# Altium PCB UNT 3-ALL.pcbdoc (part 4 of 4) (continued)
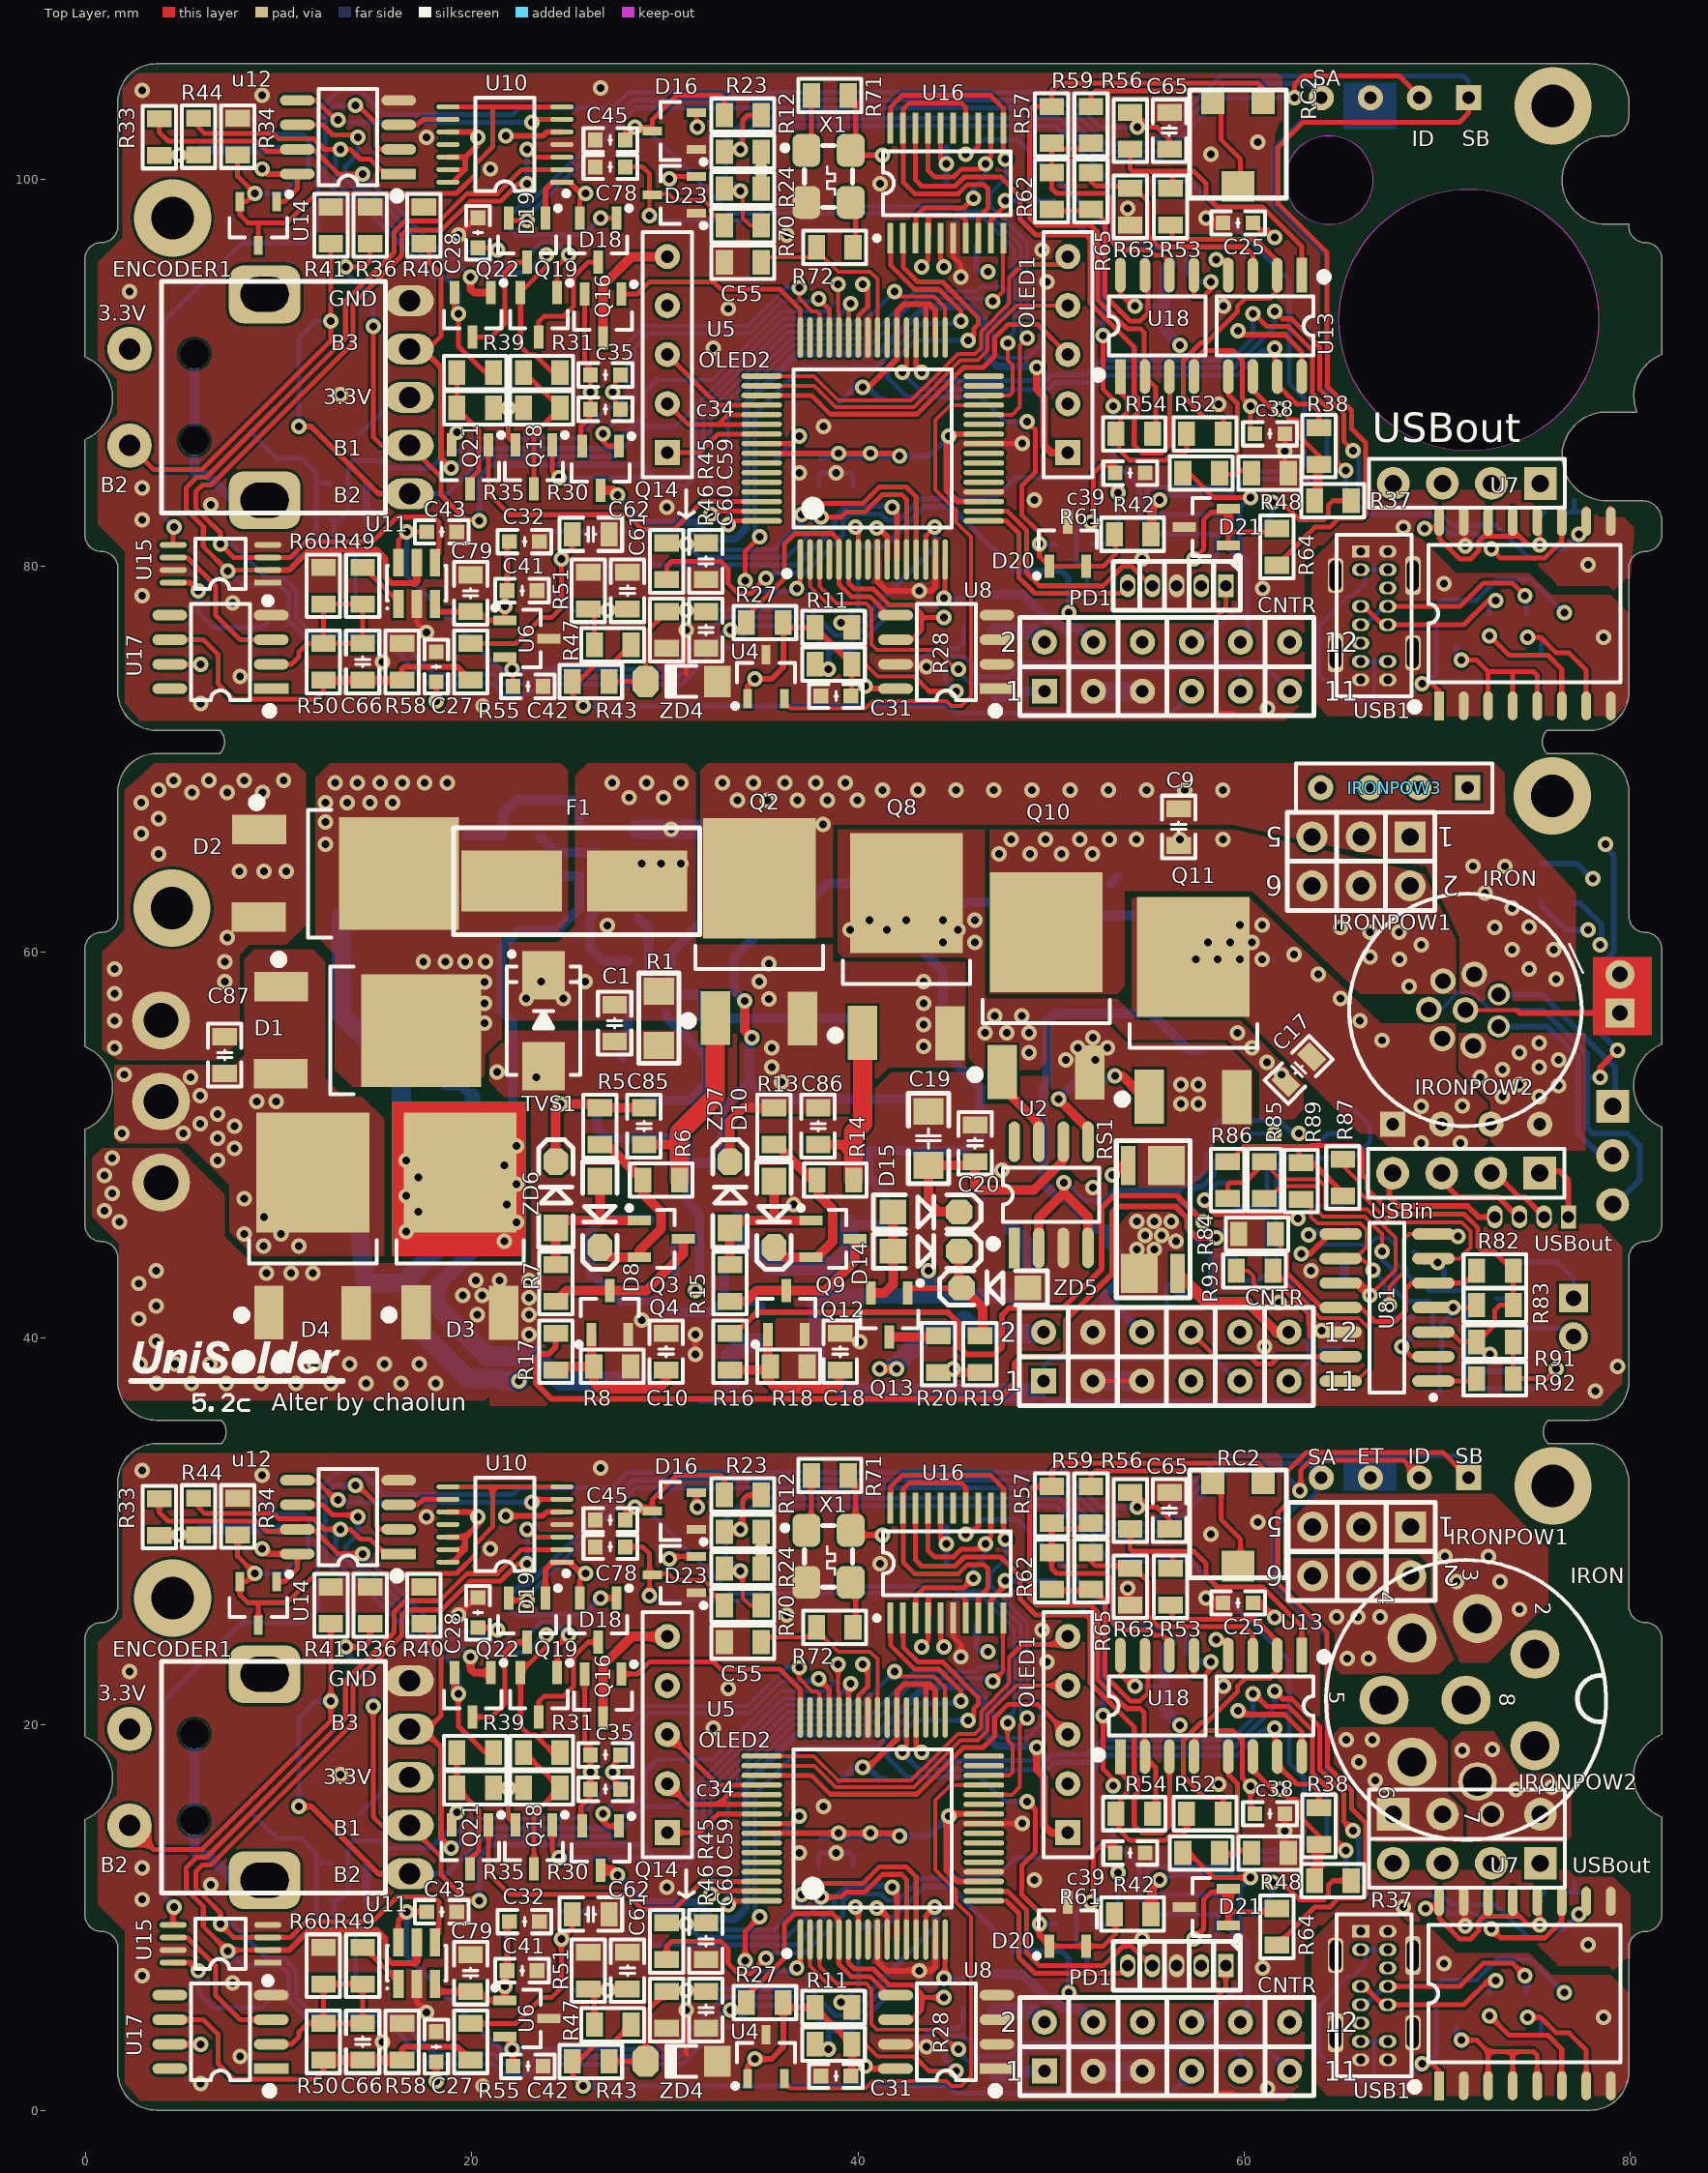
[diagram p0: Top Layer view]
## Polygon pours and split planes (outlines as drawn) (continued)
USBGND on Mid Layer 2 "USBGND_L03_P006" (solid, remove dead copper, pour order 273): 64.837,81.58 64.135,80.878 63.373,80.116 63.373,73.639 64.77,72.242 79.375,72.242 80.035,72.902 80.035,77.805 79.248,78.592 75.565,78.592 74.676,79.481 70.993,79.481 70.993,79.735 69.148,81.58
NetQ10_3 on Mid Layer 2 "NETQ10_3_L03_P271" (solid, pour order 271): 50.578,54.921 50.895,55.937 53.689,55.937 54.451,55.175 55.975,53.651 57.626,53.651 58.515,52.762 58.515,51.873 57.499,50.857 52.8,50.857 51.276,52.381 50.387,53.27 50.387,54.54
NetD1_2 on Mid Layer 2 "NETD1_2_L03_P269" (solid, pour order 269): 12.668,69.399 12.033,68.764 11.906,68.764 11.906,64.319 20.415,55.81 21.558,55.81 21.558,60.509 21.939,60.89 21.939,61.017 24.225,61.017 24.86,61.652 24.987,61.652 24.987,69.018 24.606,69.399
Net24VAC_2 on Mid Layer 2 "NET24VAC_2_L03_P267" (solid, pour order 267): 1.619,54.159 1.619,50.095 5.429,50.095 7.461,48.063 7.461,45.523 8.731,44.253 14.954,44.253 15.335,44.634 15.335,47.325 8.501,54.159
Net24VAC_3 on Mid Layer 2 "NET24VAC_3_L03_P265" (solid, pour order 265): 17 vertices, not listed, extent 0.857,44.253 23.336,69.399
VOUT1+ on Mid Layer 2 "VOUT1+_L03_P263" (solid, pour order 263): 17 vertices, not listed, extent 31.845,56.572 77.819,69.794
GND on Mid Layer 2 "GND_L03_P261" (solid, pour order 261): 63 vertices, not listed, extent 0.349,36.633 79.724,53.905
VIN on Mid Layer 2 "VIN_L03_P259" (solid, pour order 259): 31.591,60.382 38.703,60.382 38.703,59.112 43.783,59.112 43.783,54.159 22.828,54.159 22.066,54.921 22.066,60.509 24.86,60.509 25.495,61.144 25.495,68.129 25.495,68.51 26.257,69.272 30.956,69.272 31.591,68.637
VOUT2+ on Mid Layer 2 "VOUT2+_L03_P257" (solid, pour order 257): 42 vertices, not listed, extent 38.957,43.745 77.692,62.195
VOUT2- on Mid Layer 2 "VOUT2-_L03_P255" (solid, pour order 255): 72.612,50.222 72.104,49.714 66.738,49.714 58.655,58.858 57.339,58.858 54.325,62.16 60.928,62.16 67.151,56.318 70.961,56.318 70.961,53.778 72.612,52.127
VOUT1- on Mid Layer 2 "VOUT1-_L03_P253" (solid, pour order 253): 69.31,64.065 59.501,66.351 46.323,66.351 46.323,62.421 53.689,62.421 61.309,62.421 66.364,57.715 70.961,57.715 70.961,60.485
USBGND on Mid Layer 2 "USBGND_L03_P006" (solid, remove dead copper, pour order 91): 17 vertices, not listed, extent 63.373,0.762 80.035,10.1
GND on Mid Layer 2 "GND_L03_P024" (solid, remove dead copper, pour order 99): 34 vertices, not listed, extent 0.605,0.526 79.915,34.054
VGND on Mid Layer 2 "VGND_L03_P020" (solid, pour order 97): 47.498,9.525 47.498,4.191 48.133,3.556 52.578,3.556 53.34,4.318 53.34,5.588 50.722,5.588 48.26,8.05 48.26,9.88 47.524,9.88 47.498,9.906
VGND on Mid Layer 2 "VGND_L03_P022" (solid, pour order 98): 26.162,19.092 27.474,19.05 27.559,18.203 27.559,16.002 27.502,15.917 26.46,15.917 25.4,16.976 25.4,19.092
VOUT1- on Mid Layer 2 "VOUT1-_L03_P135" (solid, pour order 135): 61.95,28.6 61.95,27.45 64.7,24.7 64.7,22.9 65,22.6 70.1,22.6 70.875,23.375 69.45,26.498 69.45,27.793 68.643,28.6
VOUT1+ on Mid Layer 2 "VOUT1+_L03_P143" (solid, pour order 143): 63.821,31.971 62.05,30.2 61.95,30.2 61.95,28.8 69.05,28.8 69.669,28.181 69.669,26.55 71.2,23.2 72.65,23.2 75.75,26.3 75.75,29.1 72.922,31.928
VOUT2- on Mid Layer 2 "VOUT2-_L03_P147" (solid, pour order 147): 71.35,13.9 66.8,13.9 65.75,14.95 65.75,16.85 64.65,17.95 64.65,19.5 65,19.85 65.35,19.85 69.8,19.85 70.55,19.1 70.55,16.4 71.35,15.6
VOUT2+ on Mid Layer 2 "VOUT2+_L03_P153" (solid, pour order 153): 71.3,19.65 70.75,19.1 70.75,16.5 71.55,15.7 71.55,14.05 71.7,13.9 76.65,13.9 76.95,14.2 76.95,16.55 76.05,17.45 74.255,17.45 72.945,19.65
GND on Bottom Layer "GND_L04_P034" (solid, pour order 100): 59.186,10.3 69.55,10.3 71.214,8.636 75.184,8.636 76.581,7.239 79.375,7.239 79.945,7.809 79.945,9.312 76.811,12.446 66.675,12.446 63.119,16.002 58.968,16.002
GND on Bottom Layer "GND_L04_P034" (solid, pour order 285): 59.192,81.63 69.853,81.63 71.367,80.116 75.184,80.116 76.581,78.719 79.375,78.719 79.945,79.289 79.945,80.792 76.811,83.926 66.675,83.926 63.119,87.482 58.968,87.482
NetENCODER1_6 on Bottom Layer "NETENCODER1_6_L04_P002" (solid, pour order 287): 20 vertices, not listed, extent 4.336,81.386 11.811,96.372
GND on Bottom Layer "GND_L04_P014" (solid, remove dead copper, pour order 283): 23 vertices, not listed, extent 0.508,71.861 64.008,105.516
USBGND on Bottom Layer "USBGND_L04_P008" (solid, remove dead copper, pour order 281): 63.373,73.639 64.77,72.242 79.629,72.242 80.035,72.648 80.035,78.059 79.502,78.592 76.327,78.592 75.184,79.735 71.12,79.735 69.275,81.58 64.837,81.58 63.373,80.116
EARTH on Bottom Layer "EARTH_L04_P251" (solid, pour order 251): 79.597,59.874 78.581,58.858 78.581,56.318 79.343,55.556 80.867,55.556 81.121,55.81 81.121,59.747 80.74,60.128 79.724,60.128
VOUT2+ on Bottom Layer "VOUT2+_L04_P249" (solid, pour order 249): 42.894,62.922 38.322,62.922 37.052,61.652 37.052,60.636 42.894,60.636
VIN on Bottom Layer "VIN_L04_P247" (solid, pour order 247): 22.828,60.382 22.193,59.747 22.193,57.08 22.574,56.699 26.638,56.699 27.019,57.08 27.019,58.731 25.241,60.509
NetD1_2 on Bottom Layer "NETD1_2_L04_P245" (solid, pour order 245): 16.859,59.27 17.197,58.932 19.354,58.932 19.963,58.323 19.963,56.166 20.573,55.556 20.765,55.556 21.102,55.894 21.102,59.822 20.542,60.382 17.59,60.382 16.859,59.921
Net24VAC_3 on Bottom Layer "NET24VAC_3_L04_P243" (solid, pour order 243): 16.605,50.476 15.589,49.46 15.589,46.158 15.843,45.904 15.843,44.253 20.341,44.253 20.595,44.507 22.955,44.507 22.955,50.222 22.955,50.476
NetQ10_3 on Bottom Layer "NETQ10_3_L04_P241" (solid, pour order 241): 55.955,52.025 55.955,52.274 55.213,53.188 54.434,53.188 53.534,53.877 50.514,53.905 50.26,53.905 50.26,56.064 50.514,56.318 55.721,56.318 58.261,53.651 58.261,52.953 58.023,51.73 56.34,51.73
VIN on Bottom Layer "VIN_L04_P239" (solid, pour order 239): 28 vertices, not listed, extent 34.258,52.762 44.418,60.412
GND on Bottom Layer "GND_L04_P237" (solid, pour order 237): 53.816,47.301 53.777,47.213 53.777,44.126 57.101,44.126 57.101,45.904 55.704,47.301
GND on Bottom Layer "GND_L04_P235" (solid, pour order 235): 27.697,44.083 32.607,39.173 32.607,36.633 2.127,36.633 1.746,37.014 1.746,44.888 0.349,46.285 0.349,49.333 0.857,49.841 4.921,49.841 7.207,47.555 7.207,45.269 8.541,43.935
VOUT1+ on Bottom Layer "VOUT1+_L04_P233" (solid, pour order 233): 27 vertices, not listed, extent 31.972,58.096 77.692,69.78
VIN on Bottom Layer "VIN_L04_P231" (solid, pour order 231): 31.718,64.7 31.21,64.192 28.289,64.192 27.908,64.573 27.908,67.367 26.765,68.51 26.765,69.78 31.083,69.78 31.718,69.145
NetD1_2 on Bottom Layer "NETD1_2_L04_P229" (solid, pour order 229): 19.909,68.508 20.034,68.633 20.034,69.526 19.907,69.526 19.653,69.78 12.668,69.78 11.906,69.018 11.906,64.061 15.462,64.061 15.462,66.87
Net24VAC_2 on Bottom Layer "NET24VAC_2_L04_P227" (solid, pour order 227): 23 vertices, not listed, extent 1.492,44.189 12.287,60.001
Net24VAC_3 on Bottom Layer "NET24VAC_3_L04_P225" (solid, pour order 225): 17 vertices, not listed, extent 0.857,54.413 11.398,69.78
GND on Bottom Layer "GND_L04_P223" (solid, remove dead copper, pour order 223): 117 vertices, not listed, extent 10.636,35.998 79.851,69.78
VOUT2- on Bottom Layer "VOUT2-_L04_P221" (solid, pour order 221): 71.215,52.508 66.909,52.508 66.909,49.587 71.85,49.587 71.85,51.873
VOUT1- on Bottom Layer "VOUT1-_L04_P219" (solid, pour order 219): 20 vertices, not listed, extent 46.323,57.715 70.961,66.351
VOUT2- on Bottom Layer "VOUT2-_L04_P217" (solid, pour order 217): 70.961,54.413 70.58,54.032 67.575,54.032 62.281,58.985 57.611,58.985 56.483,60.113 56.483,60.509 56.99,61.016 58.881,61.016 59.277,61.412 59.277,61.906 59.658,62.287 62.862,62.287 69.291,56.318 70.961,56.318
VOUT2+ on Bottom Layer "VOUT2+_L04_P215" (solid, pour order 215): 40 vertices, not listed, extent 43.656,49.587 77.028,62.09
USBGND on Bottom Layer "USBGND_L04_P008" (solid, remove dead copper, pour order 92): 67.85,10.1 68.55,9.4 69.962,9.412 71.12,8.255 75.184,8.255 76.327,7.112 79.502,7.112 80.035,6.579 80.035,1.168 79.629,0.762 64.77,0.762 63.373,2.159 63.373,8.636 64.837,10.1
GND on Bottom Layer "GND_L04_P014" (solid, remove dead copper, pour order 95): 23 vertices, not listed, extent 0.508,0.381 64.008,34.036
NetENCODER1_6 on Bottom Layer "NETENCODER1_6_L04_P002" (solid, pour order 90): 20 vertices, not listed, extent 4.336,9.906 11.811,24.892
VOUT1+ on Bottom Layer "VOUT1+_L04_P119" (solid, pour order 119): 63.821,31.971 62.05,30.2 61.95,30.2 61.95,28.8 69.05,28.8 69.669,28.181 69.669,26.55 71.2,23.2 72.65,23.2 75.75,26.3 75.75,29.1 72.922,31.928
VOUT1- on Bottom Layer "VOUT1-_L04_P137" (solid, pour order 137): 61.95,28.6 61.95,27.45 64.7,24.7 64.7,22.9 65,22.6 70.1,22.6 70.875,23.375 69.45,26.498 69.45,27.793 68.643,28.6
VOUT2- on Bottom Layer "VOUT2-_L04_P149" (solid, pour order 149): 71.35,13.9 66.8,13.9 65.75,14.95 65.75,16.85 64.65,17.95 64.65,19.5 65,19.85 65.35,19.85 69.8,19.85 70.55,19.1 70.55,16.4 71.35,15.6
VOUT2+ on Bottom Layer "VOUT2+_L04_P155" (solid, pour order 155): 71.3,19.65 70.75,19.1 70.75,16.5 71.55,15.7 71.55,14.05 71.7,13.9 76.65,13.9 76.95,14.2 76.95,16.55 76.05,17.45 74.255,17.45 72.945,19.65
3.3v on Mid Layer 1 "3.3V_L02_P012" (solid, remove dead copper, pour order 291): 31 vertices, not listed, extent 0.635,71.974 79.622,105.516
VBUS1 on Mid Layer 1 "VBUS1_L02_P010" (solid, remove dead copper, pour order 289): 64.643,72.242 79.248,72.242 80.035,73.029 80.035,77.678 79.121,78.592 75.565,78.592 74.676,79.481 71.374,79.481 69.325,81.53 64.787,81.53 63.373,80.116 63.373,73.512
VIN on Mid Layer 1 "VIN_L02_P213" (solid, pour order 213): 56.483,39.046 55.975,38.538 55.975,36.379 56.102,36.252 58.007,36.252 58.515,36.76 58.515,38.665 58.134,39.046
NetQ10_3 on Mid Layer 1 "NETQ10_3_L02_P211" (solid, pour order 211): 54.324,56.064 56.483,53.905 57.372,53.905 58.047,53.23 58.047,49.754 57.708,49.333 56.522,49.333 54.329,51.873 51.784,51.873 50.387,53.27 50.387,55.175 51.276,56.064
GND on Mid Layer 1 "GND_L02_P209" (solid, pour order 209): 25 vertices, not listed, extent 24.606,38.665 57.245,51.492
GND on Mid Layer 1 "GND_L02_P207" (solid, pour order 207): 0.984,49.841 0.476,49.333 0.476,46.285 1.746,45.015 1.746,37.141 2.635,36.252 20.161,36.252 23.336,39.427 23.336,43.237 22.962,43.611 8.865,43.611 7.08,45.396 7.08,47.555 4.794,49.841
Net24VAC_3 on Mid Layer 1 "NET24VAC_3_L02_P205" (solid, pour order 205): 17 vertices, not listed, extent 0.857,44.253 23.336,69.794
GND on Mid Layer 1 "GND_L02_P203" (solid, pour order 203): 54.197,46.539 53.435,45.777 53.435,43.872 55.975,43.872 56.737,44.634 57.118,44.634 57.118,46.285 56.864,46.539
DVDD on Mid Layer 1 "DVDD_L02_P201" (solid, pour order 201): 32.48,37.395 32.48,47.174 42.386,47.174 42.513,47.301 42.513,41.84 66.008,41.84 66.008,45.142 67.024,45.142 68.167,43.999 68.167,43.237 77.438,43.237 79.724,42.951 79.724,37.395
3.3v on Mid Layer 1 "3.3V_L02_P199" (solid, pour order 199): 42.767,47.174 42.767,41.967 65.627,41.967 65.627,43.491 61.944,47.174 61.944,50.267 61.563,51.174 58.261,51.174 58.261,43.611 53.315,43.611 53.054,43.872 53.054,47.174 49.371,47.174
VOUT2+ on Mid Layer 1 "VOUT2+_L02_P197" (solid, pour order 197): 47 vertices, not listed, extent 38.957,43.745 77.692,62.19
VOUT2- on Mid Layer 1 "VOUT2-_L02_P195" (solid, pour order 195): 72.612,50.349 71.977,49.714 67.515,49.714 66.643,50.586 66.643,52.565 61.493,57.715 58.347,57.715 54.679,62.16 61.055,62.16 67.151,56.318 70.961,56.318 70.961,53.778 72.612,52.127
VOUT1- on Mid Layer 1 "VOUT1-_L02_P193" (solid, pour order 193): 69.31,64.065 59.15,66.351 46.323,66.351 46.323,62.422 53.689,62.422 61.309,62.422 66.262,57.715 70.961,57.715 70.961,60.636
VOUT1+ on Mid Layer 1 "VOUT1+_L02_P191" (solid, pour order 191): 59.375,66.604 69.437,64.319 71.215,60.763 71.215,57.334 77.282,57.334 77.282,61.681 69.183,69.78 32.353,69.78 31.845,69.272 31.845,60.763 38.703,60.763 38.703,62.541 46.069,62.541 46.069,66.604
VIN on Mid Layer 1 "VIN_L02_P189" (solid, pour order 189): 17 vertices, not listed, extent 21.939,51.746 43.783,69.794
NetD1_2 on Mid Layer 1 "NETD1_2_L02_P187" (solid, pour order 187): 12.668,69.78 11.906,69.018 11.906,64.319 20.288,55.937 20.923,55.937 21.558,56.572 21.558,60.636 21.812,60.89 21.812,61.016 24.351,61.016 24.987,61.652 24.987,69.272 24.479,69.78
Net24VAC_2 on Mid Layer 1 "NET24VAC_2_L02_P185" (solid, pour order 185): 1.619,54.159 1.619,50.095 5.429,50.095 7.461,48.063 7.461,45.523 8.731,44.253 14.954,44.253 15.335,44.634 15.335,47.325 8.501,54.159
VBUS1 on Mid Layer 1 "VBUS1_L02_P010" (solid, remove dead copper, pour order 93): 64.643,0.762 79.248,0.762 80.035,1.549 80.035,6.198 79.121,7.112 75.565,7.112 74.676,8.001 71.374,8.001 69.325,10.05 64.787,10.05 63.373,8.636 63.373,2.032
3.3v on Mid Layer 1 "3.3V_L02_P012" (solid, remove dead copper, pour order 94): 31 vertices, not listed, extent 0.635,0.494 79.622,34.036
VOUT1- on Mid Layer 1 "VOUT1-_L02_P133" (solid, pour order 133): 61.95,28.6 61.95,27.45 64.7,24.7 64.7,22.9 65,22.6 70.1,22.6 70.875,23.375 69.45,26.498 69.45,27.793 68.643,28.6
VOUT1+ on Mid Layer 1 "VOUT1+_L02_P141" (solid, pour order 141): 63.821,31.971 62.05,30.2 61.95,30.2 61.95,28.8 69.05,28.8 69.669,28.181 69.669,26.55 71.2,23.2 72.65,23.2 75.75,26.3 75.75,29.1 72.922,31.928
VOUT2- on Mid Layer 1 "VOUT2-_L02_P145" (solid, pour order 145): 71.35,13.9 66.8,13.9 65.75,14.95 65.75,16.85 64.65,17.95 64.65,19.5 65,19.85 65.35,19.85 69.8,19.85 70.55,19.1 70.55,16.4 71.35,15.6
VOUT2+ on Mid Layer 1 "VOUT2+_L02_P151" (solid, pour order 151): 71.3,19.65 70.75,19.1 70.75,16.5 71.55,15.7 71.55,14.05 71.7,13.9 76.65,13.9 76.95,14.2 76.95,16.55 76.05,17.45 74.255,17.45 72.945,19.65
GND on Top Layer "GND_L01_P050" (solid, pour order 297): 21 vertices, not listed, extent 62.611,78.719 80.184,83.926
USBGND on Top Layer "USBGND_L01_P036" (solid, remove dead copper, pour order 295): 63.5,73.174 63.5,80.268 64.77,81.538 69.088,81.538 70.993,79.633 74.778,79.633 75.921,78.49 78.994,78.49 79.908,77.576 79.908,72.926 79.223,72.242 64.315,72.242
GND on Top Layer "GND_L01_P016" (solid, remove dead copper, pour order 293): 30 vertices, not listed, extent 0.635,71.988 63.928,105.516
GND on Top Layer "GND_L01_P183" (solid, remove dead copper, pour order 183): 37 vertices, not listed, extent 20.923,36.506 79.59,55.937
VOUT2+ on Top Layer "VOUT2+_L01_P181" (solid, pour order 181): 27 vertices, not listed, extent 38.957,51.353 63.087,66.351
GND on Top Layer "GND_L01_P179" (solid, pour order 179): 54.133,46.529 53.475,45.871 53.475,41.967 56.864,41.967 56.864,45.852 56.187,46.529
VOUT2+ on Top Layer "VOUT2+_L01_P177" (solid, pour order 177): 71.088,55.81 71.088,53.905 72.739,52.254 72.739,50.222 73.247,49.714 77.692,49.714 77.692,55.81
VOUT2+ on Top Layer "VOUT2+_L01_P175" (solid, pour order 175): 38.957,66.351 38.957,60.001 46.577,60.001 46.577,66.351
VOUT2- on Top Layer "VOUT2-_L01_P173" (solid, pour order 173): 17 vertices, not listed, extent 54.197,49.714 72.612,62.795
VOUT1- on Top Layer "VOUT1-_L01_P171" (solid, pour order 171): 59.501,66.351 69.31,64.065 70.961,60.636 70.961,57.842 66.035,57.842 60.42,63.176 53.816,63.176 53.816,58.223 53.435,57.842 46.831,57.842 46.831,66.351
VOUT1+ on Top Layer "VOUT1+_L01_P169" (solid, pour order 169): 17 vertices, not listed, extent 31.845,57.461 77.184,69.78
GND on Top Layer "GND_L01_P167" (solid, pour order 167): 0.857,49.841 0.349,49.333 0.349,46.285 1.746,44.888 1.746,37.141 2.127,36.76 20.669,36.76 23.567,39.658 23.567,43.26 22.955,43.872 8.604,43.872 7.207,45.269 7.207,47.428 4.794,49.841
NetQ10_3 on Top Layer "NETQ10_3_L01_P165" (solid, pour order 165): 58.388,48.952 58.388,50.222 59.658,50.222 60.42,50.984 60.42,53.905 59.023,55.302 53.943,55.302 52.927,56.318 50.006,56.318 50.006,56.064 50.006,55.302 50.006,49.714 51.911,47.809 57.245,47.809 57.753,48.317
NetD1_2 on Top Layer "NETD1_2_L01_P163" (solid, pour order 163): 19 vertices, not listed, extent 11.906,53.016 24.987,69.78
Net24VAC_3 on Top Layer "NET24VAC_3_L01_P161" (solid, pour order 161): 1.704,54.413 6.953,54.413 7.969,55.429 7.969,59.874 8.477,60.382 10.382,60.382 11.398,61.398 11.398,69.272 10.89,69.78 3.569,69.78 2.007,68.383 2.007,61.151 0.857,60.001 0.857,54.921
Net24VAC_2 on Top Layer "NET24VAC_2_L01_P159" (solid, pour order 159): 19 vertices, not listed, extent 1.492,44.253 15.462,60.128
VIN on Top Layer "VIN_L01_P157" (solid, pour order 157): 21 vertices, not listed, extent 21.939,51.619 45.561,69.78
GND on Top Layer "GND_L01_P016" (solid, remove dead copper, pour order 96): 30 vertices, not listed, extent 0.635,0.508 63.928,34.036
USBGND on Top Layer "USBGND_L01_P036" (solid, remove dead copper, pour order 101): 67.975,10.058 68.432,9.6 69.523,9.623 70.993,8.153 74.778,8.153 75.921,7.01 78.994,7.01 79.908,6.096 79.908,1.446 79.223,0.762 64.315,0.762 63.5,1.694 63.5,8.788 64.77,10.058
GND on Top Layer "GND_L01_P050" (solid, pour order 105): 17 vertices, not listed, extent 62.611,7.239 80.01,12.446
VOUT1- on Top Layer "VOUT1-_L01_P121" (solid, pour order 121): 61.95,28.6 61.95,27.45 64.7,24.7 64.7,22.9 65,22.6 70.1,22.6 70.875,23.375 69.45,26.498 69.45,27.793 68.643,28.6
VOUT2- on Top Layer "VOUT2-_L01_P123" (solid, pour order 123): 71.35,13.9 66.8,13.9 65.75,14.95 65.75,16.85 64.65,17.95 64.65,19.5 65,19.85 65.35,19.85 69.8,19.85 70.55,19.1 70.55,16.4 71.35,15.6
VOUT2+ on Top Layer "VOUT2+_L01_P125" (solid, pour order 125): 71.3,19.65 70.75,19.1 70.75,16.5 71.55,15.7 71.55,14.05 71.7,13.9 76.65,13.9 76.95,14.2 76.95,16.55 76.05,17.45 74.255,17.45 72.945,19.65
VOUT1+ on Top Layer "VOUT1+_L01_P139" (solid, pour order 139): 63.821,31.971 62.05,30.2 61.95,30.2 61.95,28.8 69.05,28.8 69.669,28.181 69.669,26.55 71.2,23.2 72.65,23.2 75.75,26.3 75.75,29.1 72.922,31.928
no net on Bottom Overlay (solid): 165 vertices, not listed, extent 29.123,75.547 30.71,77.203
no net on Bottom Overlay (solid): 127 vertices, not listed, extent 27.926,75.577 29.18,76.782
no net on Bottom Overlay (solid): 27.551,76.756 27.233,76.756 27.48,75.577 27.796,75.577
no net on Bottom Overlay (solid): 27.457,77.203 27.14,77.203 27.2,76.916 27.517,76.916
no net on Bottom Overlay (solid): 321 vertices, not listed, extent 25.719,75.547 27.112,77.23
no net on Bottom Overlay (solid): 130 vertices, not listed, extent 24.379,75.547 25.603,76.782
no net on Bottom Overlay (solid): 23.927,77.203 23.609,77.203 23.949,75.577 24.265,75.577
no net on Bottom Overlay (solid): 103 vertices, not listed, extent 22.188,75.547 23.588,77.203
no net on Bottom Overlay (solid): 172 vertices, not listed, extent 21.074,75.547 22.202,76.782
no net on Bottom Overlay (solid): 70 vertices, not listed, extent 19.994,75.577 20.997,76.782
no net on Bottom Overlay (solid): 93 vertices, not listed, extent 24.695,75.793 25.284,76.542
no net on Bottom Overlay (solid): 97 vertices, not listed, extent 22.726,75.786 23.278,76.548
no net on Bottom Overlay (solid): 43 vertices, not listed, extent 21.365,76.259 21.864,76.555
no net on Bottom Overlay (solid): 43 vertices, not listed, extent 21.365,4.779 21.864,5.075
no net on Bottom Overlay (solid): 97 vertices, not listed, extent 22.726,4.306 23.278,5.068
no net on Bottom Overlay (solid): 93 vertices, not listed, extent 24.695,4.313 25.284,5.062
no net on Bottom Overlay (solid): 70 vertices, not listed, extent 19.994,4.097 20.997,5.302
no net on Bottom Overlay (solid): 172 vertices, not listed, extent 21.074,4.067 22.202,5.302
no net on Bottom Overlay (solid): 103 vertices, not listed, extent 22.188,4.067 23.588,5.723
no net on Bottom Overlay (solid): 23.927,5.723 23.609,5.723 23.949,4.097 24.265,4.097
no net on Bottom Overlay (solid): 130 vertices, not listed, extent 24.379,4.067 25.603,5.302
no net on Bottom Overlay (solid): 321 vertices, not listed, extent 25.719,4.067 27.112,5.75
no net on Bottom Overlay (solid): 27.457,5.723 27.14,5.723 27.2,5.436 27.517,5.436
no net on Bottom Overlay (solid): 27.551,5.276 27.233,5.276 27.48,4.097 27.796,4.097
no net on Bottom Overlay (solid): 127 vertices, not listed, extent 27.926,4.097 29.18,5.302
no net on Bottom Overlay (solid): 165 vertices, not listed, extent 29.123,4.067 30.71,5.723
no net on Top Overlay (solid): 165 vertices, not listed, extent 2.468,38.16 4.054,39.816
no net on Top Overlay (solid): 127 vertices, not listed, extent 3.998,38.19 5.252,39.395
no net on Top Overlay (solid): 5.627,39.369 5.944,39.369 5.697,38.19 5.382,38.19
no net on Top Overlay (solid): 5.72,39.816 6.038,39.816 5.978,39.529 5.661,39.529
no net on Top Overlay (solid): 321 vertices, not listed, extent 6.066,38.16 7.458,39.843
no net on Top Overlay (solid): 130 vertices, not listed, extent 7.575,38.16 8.798,39.395
no net on Top Overlay (solid): 9.251,39.816 9.569,39.816 9.228,38.19 8.913,38.19
no net on Top Overlay (solid): 103 vertices, not listed, extent 9.59,38.16 10.989,39.816
no net on Top Overlay (solid): 172 vertices, not listed, extent 10.975,38.16 12.103,39.395
no net on Top Overlay (solid): 70 vertices, not listed, extent 12.181,38.19 13.184,39.395
no net on Top Overlay (solid): 93 vertices, not listed, extent 7.894,38.406 8.483,39.155
no net on Top Overlay (solid): 97 vertices, not listed, extent 9.9,38.399 10.452,39.161
no net on Top Overlay (solid): 43 vertices, not listed, extent 11.314,38.872 11.812,39.168

## Other copper
Top Layer:
  rectangle net EARTH: 78.073,55.683 81.121,59.747
  rectangle net Net24VAC_3: 15.843,44.253 22.828,52.254
Bottom Layer:
  rectangle net EARTH: 65.15,102.63 67.9,105.03
  rectangle net EARTH: 65.15,32.1 67.9,33.55

## Silkscreen, mask and mechanical layers (free items; w line width, h text height)
Top Overlay:
  lines w0.152: 5.616,36.393 5.751,36.258 6.022,36.258 6.158,36.393 6.158,36.664 6.022,36.8 5.887,36.8 5.616,36.664 5.616,37.071 6.158,37.071 ; 7.106,36.935 7.241,37.071 7.512,37.071 7.647,36.935 7.647,36.8 7.106,36.258 7.647,36.258 ; 8.46,36.258 8.054,36.258 7.918,36.393 7.918,36.664 8.054,36.8 8.46,36.8 ; 6.429,36.258 6.429,36.393 6.564,36.393 6.564,36.258 6.429,36.258
  lines w0.2: 30.734,11.268 31.116,11.05 31.496,11.303 ; 30.734,82.748 31.116,82.53 31.496,82.783 ; 31.115,11.049 31.115,12.446 ; 31.115,82.529 31.115,83.926
  lines w0.305: 2.344,37.783 13.316,37.783
  text "SA" at 63.55,104.88 h0.8
  text "ID" at 68.7,101.73 h0.8
  text "SB" at 71.3,101.73 h0.8
  text "GND" at 12.573,93.451 h0.8
  text "3.3V" at 0.635,92.689 h0.8
  text "B3" at 12.7,91.165 h0.8
  text "3.3V" at 12.319,88.371 h0.8
  text "B1" at 12.827,85.704 h0.8
  text "B2" at 0.762,83.799 h0.8
  text "B2" at 12.827,83.291 h0.8
  text "Alter by chaolun" at 9.62,36.252 h0.9
  text "ET" at 65.85,33.5 h0.8
  text "ID" at 68.5,33.5 h0.8
  text "SB" at 70.95,33.5 h0.8
  text "SA" at 63.3,33.45 h0.8
  text "GND" at 12.573,21.971 h0.8
  text "3.3V" at 0.635,21.209 h0.8
  text "B3" at 12.7,19.685 h0.8
  text "3.3V" at 12.319,16.891 h0.8
  text "B1" at 12.827,14.224 h0.8
  text "B2" at 0.762,12.319 h0.8
  text "B2" at 12.827,11.811 h0.8
Bottom Overlay:
  lines w0.152: 24.718,2.165 25.124,2.165 25.259,2.3 25.259,2.571 25.124,2.707 24.718,2.707 ; 24.718,73.645 25.124,73.645 25.259,73.78 25.259,74.051 25.124,74.187 24.718,74.187 ; 25.53,2.165 26.072,2.165 25.53,2.707 25.53,2.842 25.666,2.978 25.936,2.978 26.072,2.842 ; 25.53,73.645 26.072,73.645 25.53,74.187 25.53,74.322 25.666,74.458 25.936,74.458 26.072,74.322 ; 27.02,2.978 27.562,2.978 27.562,2.571 27.291,2.707 27.155,2.707 27.02,2.571 27.02,2.3 27.155,2.165 27.426,2.165 27.562,2.3 ; 27.02,74.458 27.562,74.458 27.562,74.051 27.291,74.187 27.155,74.187 27.02,74.051 27.02,73.78 27.155,73.645 27.426,73.645 27.562,73.78 ; 26.614,2.165 26.749,2.165 26.749,2.3 26.614,2.3 26.614,2.165 ; 26.614,73.645 26.614,73.78 26.749,73.78 26.749,73.645 26.614,73.645
  lines w0.2: 46.069,48.79 46.451,48.572 46.831,48.825 ; 46.45,48.571 46.45,49.333 ; 50.768,49.044 51.15,48.826 51.53,49.079 ; 51.149,48.825 51.149,49.587
  lines w0.254: 72.358,56.953 73.628,56.953 ; 73.05,21.2 74.32,21.2
  lines w0.305: 19.862,3.69 30.834,3.69 ; 19.862,75.17 30.834,75.17
  text "V1-" at 63.881,103.484 h0.8 r15
  text "V2-" at 69.596,83.037 h0.8
  text "V2-" at 72.009,83.037 h0.8
  text "V2+" at 74.549,83.037 h0.8
  text "Alter by chaolun" at 23.495,73.639 h0.9
  text "SA" at 64.611,66.732 h0.8
  text "ETH" at 67.532,66.732 h0.8
  text "ID" at 69.691,66.732 h0.8
  text "SB" at 72.231,66.732 h0.8
  text "V1+" at 62.198,65.462 h0.8
  text "V1+" at 71.85,65.335 h0.8
  text "V1-" at 63.976,61.398 h0.8
  text "V1-" at 66.516,61.398 h0.8
  text "V1-" at 69.056,61.271 h0.8
  text "V1+" at 73.628,59.747 h0.8
  text "V1-" at 69.691,58.985 h0.8
  text "SA" at 75.152,58.477 h0.8
  text "AC" at 7.842,57.842 h1.5 r90
  text "ID" at 68.548,56.699 h0.8
  text "EARTH" at 77.692,56.572 h0.8
  text "SB" at 75.152,54.921 h0.8
  text "V2-" at 69.818,53.905 h0.8
  text "DC+" at 8.731,53.778 h1.5 r90
  text "V2+" at 73.755,53.778 h0.8
  text "AC" at 7.207,53.143 h1 r90
  text "V2-" at 71.723,52.762 h0.8
  text "V2+" at 74.644,52.762 h0.8
  text "V2+" at 77.311,52.762 h0.8
  text "V2-" at 69.056,52.635 h0.8
  text "SA" at 81.375,51.365 h0.8 r90
  text "GND" at 7.715,49.333 h1.5 r90
  text "SB" at 77.692,48.825 h0.8
  text "ID" at 77.565,47.809 h0.8
  text "TIP" at 80.105,44.38 h0.8
  text "HOLDER" at 79.978,36.887 h0.8
  text "V1-" at 63.881,32.004 h0.8 r15
  text "V1+" at 75.35,26.5 h0.8
  text "V1-" at 66.9,24.1 h0.8
  text "SA" at 78.15,23.35 h0.8
  text "ID" at 65.7,20.9 h0.8
  text "EARTH" at 78.55,20.8 h0.8
  text "SB" at 78.05,18.4 h0.8
  text "V2-" at 67.05,17.7 h0.8
  text "V2+" at 75.4,16.5 h0.8
  text "V2-" at 71.2,13.8 h0.8
  text "V2+" at 74.1,13.8 h0.8
  text "V2+" at 76.4,13.75 h0.8
  text "V2-" at 68.6,13.7 h0.8
  text "VBUS" at 79.7,12.35 h0.8
  text "D-" at 74,10.95 h0.8
  text "D+" at 71.3,10.9 h0.8
  text "USBG" at 68.75,10.85 h0.8
  text "Alter by chaolun" at 23.495,2.159 h0.9
Mechanical 1:
  circle w0.254: c71.5,92.752 r6.75
  circle w0.254: c64.26,99.988 r2.29
  lines w0.254: 79.934,97.699 ccw(c80.779,97.603) 80.779,96.753 cw(c80.779,95.903) 81.629,95.903 81.629,90.957 ; 79.935,97.699 78.724,97.699 cw(c78.76,99.988) 78.848,102.276 ccw(c78.901,103.304) 79.929,103.251 79.929,104.016 ccw(c77.929,104.016) 77.929,106.016 3.668,106.016 ccw(c3.668,104.016) 1.668,104.016 1.668,97.602 cw(c0.818,97.602) 0.818,96.752 ccw(c0.818,95.902) -0.032,95.902 -0.032,90.83 cw(c-0.921,88.688) -0.032,86.547 -0.032,81.601 ccw(c0.818,81.601) 0.818,80.751 cw(c0.818,79.901) 1.668,79.901 1.668,73.488 ccw(c3.668,73.488) 3.668,71.488 6.946,71.488 cw(c6.342,70.884) 6.946,70.28 3.668,70.28 ccw(c3.668,68.28) 1.668,68.28 1.668,61.866 cw(c0.818,61.866) 0.818,61.016 ccw(c0.818,60.166) -0.032,60.166 -0.032,55.094 cw(c-0.921,52.953) -0.032,50.811 -0.032,45.865 ccw(c0.818,45.865) 0.818,45.015 cw(c0.818,44.165) 1.668,44.165 1.668,37.752 ccw(c3.668,37.752) 3.668,35.752 7.025,35.752 cw(c6.417,35.144) 7.025,34.536 3.668,34.536 ccw(c3.668,32.536) 1.668,32.536 1.668,26.122 cw(c0.818,26.122) 0.818,25.272 ccw(c0.818,24.422) -0.032,24.422 -0.032,19.35 cw(c-0.921,17.209) -0.032,15.067 -0.032,10.121 ccw(c0.818,10.121) 0.818,9.271 cw(c0.818,8.421) 1.668,8.421 1.668,2.008 ccw(c3.668,2.008) 3.668,0.008 77.929,0.008 ccw(c77.929,2.008) 79.929,2.008 79.929,8.419 cw(c80.779,8.419) 80.779,9.269 ccw(c80.779,10.119) 81.629,10.119 81.629,15.194 cw(c82.499,17.335) 81.629,19.477 ; 81.629,19.477 81.629,19.477 ; 81.629,19.477 81.629,24.423 ccw(c80.779,24.423) 80.779,25.273 cw(c80.779,26.123) 79.929,26.123 79.929,32.536 ccw(c77.929,32.536) 77.929,34.536 75.751,34.536 cw(c76.359,35.144) 75.751,35.752 77.929,35.752 ccw(c77.929,37.752) 79.929,37.752 79.929,44.163 cw(c80.779,44.163) 80.779,45.013 ccw(c80.779,45.863) 81.629,45.863 81.629,50.938 cw(c82.499,53.08) 81.629,55.221 ; 81.629,55.221 81.629,60.167 ccw(c80.779,60.167) 80.779,61.017 cw(c80.779,61.867) 79.929,61.867 79.929,68.28 ccw(c77.929,68.28) 77.929,70.28 75.692,70.28 cw(c76.296,70.884) 75.692,71.488 77.929,71.488 ccw(c77.929,73.488) 79.929,73.488 79.929,79.899 cw(c80.779,79.899) 80.779,80.749 ccw(c80.779,81.599) 81.629,81.599 81.629,82.38 ccw(c80.629,82.38) 80.629,83.38 78.8,83.38 cw(c78.766,85.679) 78.848,87.976 80.345,87.976 cw(c82.478,88.825) 81.629,90.957 ; 81.629,55.221 81.629,55.221 ; 81.629,90.957 81.629,90.957

## Text inside footprints (layer, text, board x,y; h text height)
CNTR: Top Overlay "2" at 47.371,75.544 h1.02; Top Overlay "1" at 47.625,73.004 h1.02; Top Overlay "11" at 64.135,73.004 h1.02; Top Overlay "12" at 64.135,75.544 h1.02
CNTR: Top Overlay "2" at 47.339,39.808 h1.02; Top Overlay "1" at 47.593,37.268 h1.02; Top Overlay "11" at 64.103,37.268 h1.02; Top Overlay "12" at 64.103,39.808 h1.02
CNTR: Top Overlay "2" at 47.371,4.064 h1.02; Top Overlay "1" at 47.625,1.524 h1.02; Top Overlay "11" at 64.135,1.524 h1.02; Top Overlay "12" at 64.135,4.064 h1.02
IRON: Top Overlay "8" at 73.22,21.608 h0.8 r270; Top Overlay "7" at 71.42,15.528 h0.8 r270; Top Overlay "5" at 64.4,21.728 h0.8 r270; Top Overlay "6" at 66.98,16.808 h0.8 r270; Top Overlay "3" at 71.33,28.078 h0.8 r270; Top Overlay "2" at 75.07,26.318 h0.8 r270; Top Overlay "1" at 75.28,16.958 h0.8 r270; Top Overlay "4" at 66.95,26.868 h0.8 r270
IRONPOW1: Top Overlay "6" at 61.994,63.938 h1.02 r180; Top Overlay "5" at 61.994,66.478 h1.02 r180; Top Overlay "2" at 71.138,63.938 h1.02 r180; Top Overlay "1" at 70.884,66.478 h1.02 r180
IRONPOW1: Top Overlay "6" at 62.026,28.194 h1.02 r180; Top Overlay "5" at 62.026,30.734 h1.02 r180; Top Overlay "2" at 71.17,28.194 h1.02 r180; Top Overlay "1" at 70.916,30.734 h1.02 r180